# Altium PCB 111.PcbDoc (continued)
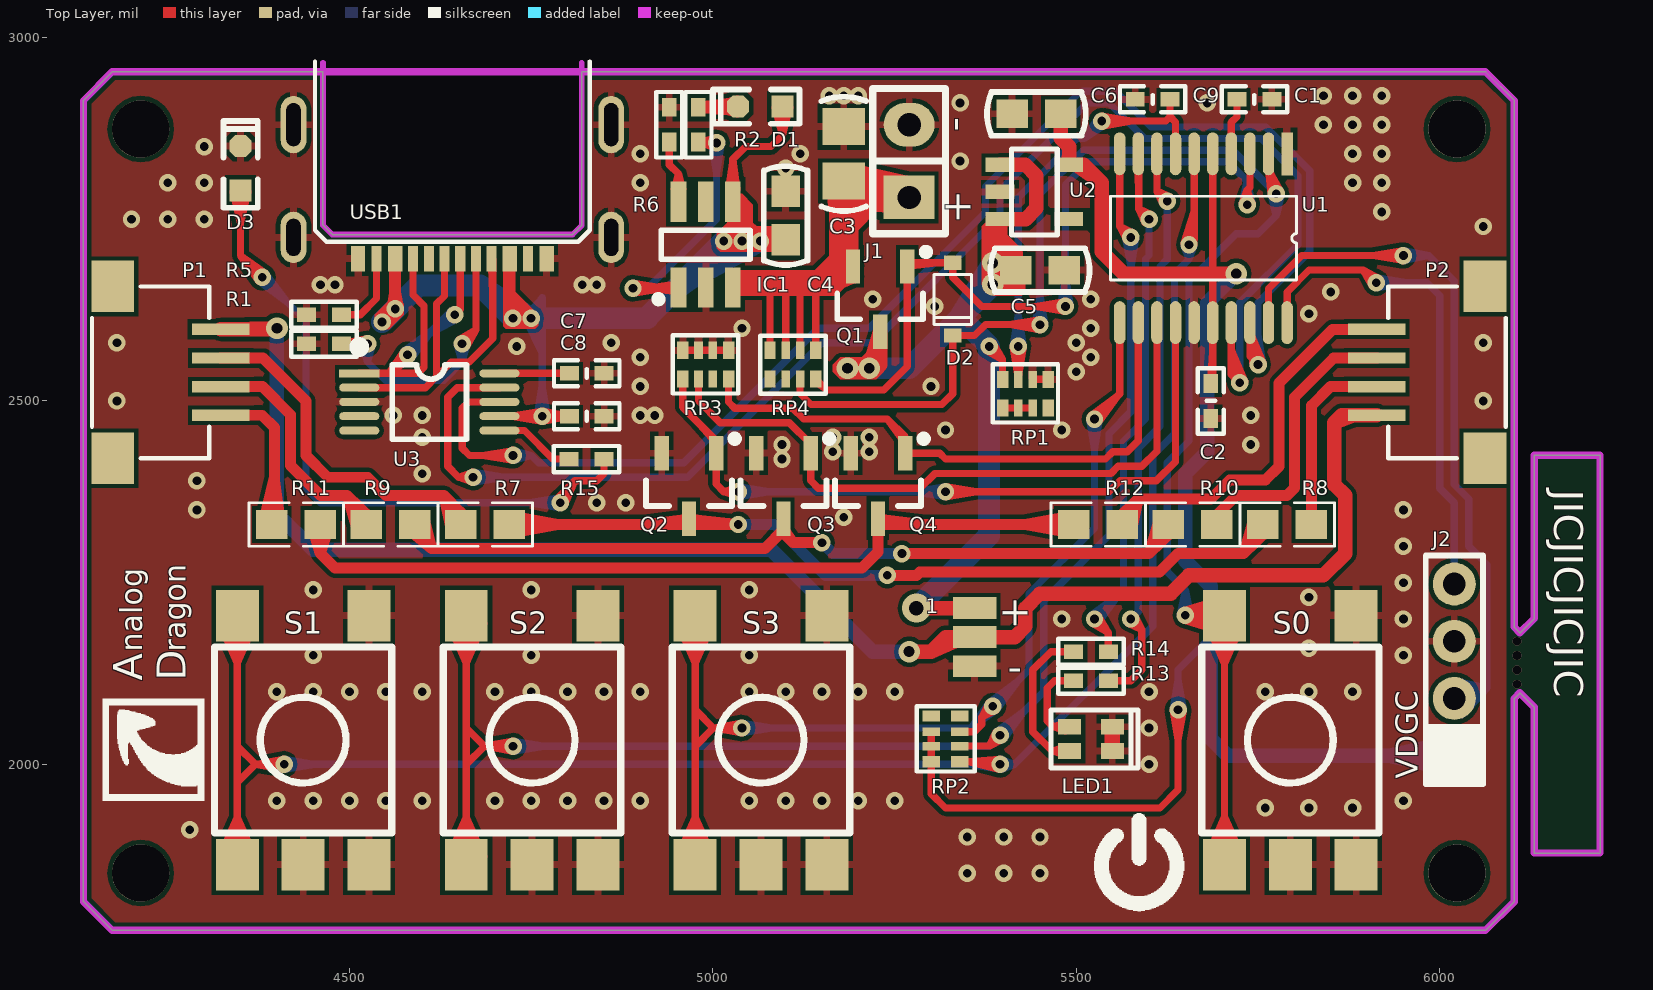
[diagram p0: Top Layer view]
## Nets (pads, with @x,y where several pads share a name; then routed paths per layer and width w, separated by ;. In a path a pad name is that pad's centre, name@x,y a point inside that pad or via, vN(x,y) a via of type N, cw(c..) or ccw(c..) an arc to the next point about the centre after c; other vN are vias at no path point) (continued)
  Bottom Layer w10: v1(4410,2000) v1(5395,2000) 5415,2000 ; v1@4410.58,1993.02 4452,2000 v1@4410.58,2006.98 ; v1@5394.42,1993.02 5353,2000 v1@5394.42,2006.98 ; v1@5396.23,1993.11 5415,2000 ; v1@5396.23,2006.89 5415,2000 ; v1@5648.11,2713.78 5655,2695 ; v1@5661.89,2713.78 5655,2695 ; 5415,2000 5605,2190 5605,2425 5635,2455 5635,2675 5655,2695 ; 5655,2695 v1(5655,2715) 5655,2695
KEY2: RP2.2 S2.2 S2.3 U1.10 | length 3313.2
  Top Layer w10: S2.3@4636.59,1873.05 4660.59,1927.52 ; S2.2@4636.59,2193.65 4660.59,2139.17 ; S2.3@4646.17,1869.76 4660.59,1927.52 ; S2.2@4646.17,2196.93 4660.59,2139.17 ; S2.3 S2.2 ; S2.3@4660.59,1867.99 4660.59,1927.52 ; 4660.59,2000 4685.59,2025 ; 4660.59,2050 4685.59,2025 ; S2.2@4660.59,2198.7 4660.59,2139.17 ; S2.3@4675.01,1869.76 4660.59,1927.52 ; S2.2@4675.01,2196.93 4660.59,2139.17 ; S2.3@4684.59,1873.05 4660.59,1927.52 ; S2.2@4684.59,2193.65 4660.59,2139.17 ; v1@4724.34,2018.03 4685.59,2025 ; v1@4724.34,2031.97 4685.59,2025 ; v1(4724.96,2025) 4685.59,2025 ; RP2.2 5380.16,2025.16 ; RP2.2@5345.59,2025.16 5380.16,2025.16 ; v1@5389.29,2044.06 5380.16,2025.16 ; v1@5399.06,2034.29 5380.16,2025.16 ; 5559.68,2780.47 U1.10@5559.68,2818.35 ; U1.10 5559.68,2740.32 ; v1@5569.32,2720.92 5559.68,2740.32 ; v1@5579.08,2730.68 5559.68,2740.32 ; 5380.16,2025.16 v1(5395,2040) 5380.16,2025.16 ; 5559.68,2740.32 v1(5575,2725) 5559.68,2740.32
  Bottom Layer w10: v1(4724.96,2025) 5380,2025 ; v1@4725.54,2018.02 4766.96,2025 v1@4725.54,2031.98 ; v1@5389.3,2044.07 5380,2025 ; v1@5390.43,2045.3 5428.21,2073.21 v1@5400.3,2035.43 ; v1@5399.07,2034.3 5380,2025 ; v1@5568.02,2724.42 5575,2683 ; v1@5581.98,2724.42 5575,2683 ; 5380,2025 v1(5395,2040) ; 5380,2025 v1(5395,2040) ; v1(5395,2040) 5455,2100 5455,2225 5545,2315 5545,2455 5575,2485 v1(5575,2725) 5575,2683
KEY3: RP2.3 S3.2 S3.3 U1.11 | length 2748.9
  Top Layer w10: S3.3@4951.55,1873.05 4975.55,1927.52 ; S3.2@4951.55,2193.65 4975.55,2139.17 ; S3.3@4961.13,1869.76 4975.55,1927.52 ; S3.2@4961.13,2196.93 4975.55,2139.17 ; S3.3 S3.2 ; S3.3@4975.55,1867.99 4975.55,1927.52 ; 4975.55,2025 5000.55,2050 ; 4975.55,2075 5000.55,2050 ; S3.2@4975.55,2198.7 4975.55,2139.17 ; S3.3@4989.97,1869.76 4975.55,1927.52 ; S3.2@4989.97,2196.93 4975.55,2139.17 ; S3.3@4999.55,1873.05 4975.55,1927.52 ; S3.2@4999.55,2193.65 4975.55,2139.17 ; v1@5039.3,2043.03 5000.55,2050 ; v1@5039.3,2056.97 5000.55,2050 ; v1(5039.92,2050) 5000.55,2050 ; RP2.3 5359.84,2044.84 ; RP2.3@5345.59,2044.84 5359.84,2044.84 ; v1@5379.3,2084.07 5370,2065 ; v1@5389.07,2074.3 5370,2065 ; v1@5520.43,2480.3 5558.21,2508.21 v1@5530.3,2470.43 ; v1(5525,2475) 5559.68,2509.68 U1.11 ; 5559.68,2548.19 U1.11@5559.68,2586.06 ; 5359.84,2044.84 5370,2055 5370,2065 ; 5370,2065 v1(5385,2080) 5370,2065
  Bottom Layer w10: v1(5039.92,2050) 5355,2050 ; v1@5040.5,2043.02 5081.92,2050 v1@5040.5,2056.98 ; v1@5379.66,2084.52 5355,2050 ; v1@5380.43,2085.3 5418.21,2113.21 v1@5390.3,2075.43 ; v1@5389.52,2074.66 5355,2050 ; v1@5518.02,2474.42 5525,2433 v1@5531.98,2474.42 ; v1(5525,2475) 5525,2325 5435,2235 5435,2130 v1(5385,2080) ; 5355,2050 v1(5385,2080) ; 5355,2050 v1(5385,2080)
LED1: R14.1 U1.9 | length 975
  Top Layer w10: v1@5520.74,2194.45 5544,2181 ; v1(5525,2200) 5544,2181 ; v1@5530.55,2204.26 5544,2181 ; R14.1 5544,2181 ; U1.9@5585.28,2818.35 5586,2780.47 ; U1.9 5586,2839.28 5586,2764 ; v1@5594.25,2746 5586,2764 ; v1@5604,2755.75 5586,2764 ; 5586,2764 v1(5600,2750) 5586,2764
  Bottom Layer w10: v1@5520.43,2205.3 5558.21,2233.21 v1@5530.3,2195.43 ; v1(5525,2200) 5565,2240 5565,2445 5595,2475 5595,2695 5600,2700 v1(5600,2750)
LED2: R13.1 U1.8 | length 954.6
  Top Layer w10: R13.1 5575,2115 ; R13.1@5547,2115 5575,2115 ; v1@5570.93,2194.3 5590,2185 ; v1(5575,2200) 5590,2185 ; v1@5580.7,2204.07 5590,2185 ; U1.8@5610.87,2818.35 5610.87,2789.13 ; U1.8 5610.87,2789.13 ; v1@5619.26,2770.99 5610.87,2789.13 ; v1@5629.01,2780.74 5610.87,2789.13 ; 5575,2115 5590,2130 5590,2185 ; 5610.87,2789.13 v1(5625,2775) 5610.87,2789.13
  Bottom Layer w10: v1(5575,2200) 5585,2210 5585,2435 5615,2465 5615,2685 5625,2695 v1(5625,2775)
Net1_2: 1.2 P1.1 P2.1 | length 2642.9
  Top Layer w20: P1.1 4400,2598.43 4354.33,2598.43 v2(4400,2600) P1.1@4324.95,2598.43 ; v2(5270,2155) 5300,2155 ; 1.2@5375,2175 5415,2175 ; P2.1 5865.31,2480.32 ; 5300,2155 5320,2175 ; 5300,2155 1.2@5345,2175 ; 5320,2175 1.2 5415,2175 ; 5320,2175 1.2@5345,2175 ; 5320,2175 1.2@5345,2175 ; 5415,2175 5430,2190 5430,2215 5450,2235 5630,2235 5655,2260 5840,2260 5870,2290 5870,2370 5855,2385 5855,2470 ; 5855,2470 5865.31,2480.32 ; 5855,2470 P2.1@5881.89,2480.32 ; 5865.31,2480.32 P2.1@5881.89,2480.32 ; 5865.31,2480.32 P2.1@5881.89,2480.32
  Bottom Layer w20: 4400,2525 v2(4400,2600) 4400,2345 4450,2295 5080,2295 5220,2155 v2(5270,2155)
NetC1_1: C1.1 U1.4 | length 99.8
  Top Layer w10: U1.4 5713.23,2883.23 ; U1.4@5713.23,2861.65 5713.23,2883.23 ; C1.1 5721,2891 5713.23,2883.23
NetC7_2: C7.2 U3.10 | length 171.6
  Top Layer w10: U3.10 C7.2 ; U3.10@4728.35,2537.99 4763.86,2537.99 ; 4759.38,2537.99 C7.2@4799.38,2537.99
NetD1_2: D1.2 R2.2 | length 266.5
  Top Layer w10: R2.2@4980,2901 D1.2@5021.35,2897.77 ; R2.2@4980,2907 D1.2@5019.84,2911.9 ; D1.2@5020.04,2905 R2.2 4981,2905 D1.2 ; D1.2@5033.3,2895.07 4989.41,2905 D1.2@5033.3,2914.94
NetD3_1: D3.1 R15.2 | length 1368.3
  Top Layer w10: D3.1@4340.07,2788.3 4350,2744.41 D3.1@4359.94,2788.3 ; D3.1 4350,2700 ; v1@4374.66,2665.48 4350,2700 ; v1(4380,2670) 4350,2700 ; v1@4384.52,2675.34 4350,2700 ; v1@4784.58,2364.43 4810,2390 ; v1@4796.17,2356.7 4810,2390 ; R15.2 4850,2400 4840,2390 4810,2390 ; 4810,2390 4790,2370 v1(4790,2360) 4810,2390
  Bottom Layer w10: v1@4375.43,2664.7 4413.21,2636.79 v1@4385.3,2674.57 ; v1(4380,2670) 4440,2610 4440,2380 4460,2360 v1(4790,2360) ; v1@4789.42,2353.02 4748,2360 v1@4789.42,2366.98
NetIC1_1: IC1.1 R2.1 | length 753.4
  Top Layer w10: v1(4890,2655) 4951.65,2655 IC1.1 4911.74,2655 ; v1@4890.58,2648.02 4932,2655 v1@4890.58,2661.98 ; IC1.1@4952.05,2661.75 4911.74,2655 ; IC1.1@4952.32,2650.12 4911.74,2655 ; v1@5003.74,2848.11 R2.1 ; v1@5004.3,2861.96 R2.1 ; R2.1 5004,2856 v1(5005,2855) R2.1
  Bottom Layer w10: v1(4890,2655) 4910,2655 ; v1@4891.23,2648.11 4910,2655 ; v1@4891.23,2661.89 4910,2655 ; v1@4998.02,2854.42 5005,2813 v1@5011.98,2854.42 ; v1(5005,2855) 5005,2750 4910,2655
NetIC1_6: IC1.6 R6.2 | length 180
  Top Layer w10: R6.2@4940,2853 4940,2825 ; R6.2 4940,2825 ; IC1.6@4946.82,2791.57 4952.6,2812.4 ; IC1.6 4952.6,2812.4 ; IC1.6@4952.6,2790.79 4952.6,2812.4 ; IC1.6@4958.37,2791.57 4952.6,2812.4 ; 4940,2825 4952.6,2812.4
NetLED1_1: LED1.1 R13.2 | length 193.9
  Top Layer w10: LED1.1@5484.58,2046 5468.26,2051.74 ; LED1.1@5484.58,2057.48 5468.26,2051.74 ; LED1.1@5485.56,2051.74 5468.26,2051.74 ; LED1.1 5468.26,2051.74 ; R13.2@5493,2115 5470,2115 ; R13.2 5470,2115 ; 5468.26,2051.74 5460,2060 5460,2105 5470,2115
NetLED1_2: LED1.2 R14.2 | length 297.4
  Top Layer w10: LED1.2@5484.66,2012.52 5466.73,2018.27 ; LED1.2@5484.66,2024.03 5466.73,2018.27 ; LED1.2@5485.56,2018.27 5466.73,2018.27 ; LED1.2 5466.73,2018.27 ; R14.2@5493,2155 5465,2155 ; R14.2 5465,2155 ; 5465,2155 5440,2130 5440,2045 5466.73,2018.27
NetQ2_3: Q2.3 R7.1 R8.1 | length 1667.5
  Top Layer w15: R7.1 v1(5035,2330) 4977.72,2336.5 ; R7.1@4721.97,2330 4786.65,2330 ; R7.1@4723.12,2317.87 4786.65,2330 ; R7.1@4723.12,2342.13 4786.65,2330 ; 4909.52,2330 Q2.3 v1@5023.99,2330 ; v1(5240,2260) 5280,2260 5284.5,2264.5 5614.5,2264.5 5640,2290 5730,2290 ; R8.1@5743.44,2334.98 5730,2290 ; R8.1@5754.57,2330 5730,2290 ; R8.1 5756.54,2316.54 5730,2290 ; R8.1@5764.03,2322.33 5730,2290
  Bottom Layer w15: v1(5035,2330) 5085,2330 5155,2260 v1(5240,2260) 5183,2260
NetQ3_3: Q3.3 R9.1 R10.1 | length 1483
  Top Layer w15: R9.1@4582.84,2321.93 4613.19,2296.81 ; R9.1 4590,2320 4613.19,2296.81 ; R9.1@4591.97,2330 4613.19,2296.81 ; R9.1@4603.13,2334.9 4613.19,2296.81 ; v1(5150,2305) 5110,2305 ; v1(5260,2290) 5600,2290 ; R10.1@5613.44,2334.98 5600,2290 ; R10.1@5624.57,2330 5600,2290 ; R10.1 5626.54,2316.54 5600,2290 ; R10.1@5634.03,2322.33 5600,2290 ; 4613.19,2296.81 5071.81,2296.81 ; 5071.81,2296.81 5097,2322 5097,2318 5110,2305 ; 5071.81,2296.81 5097,2324.22 5110,2305
  Bottom Layer w15: v1(5150,2305) 5165,2290 v1(5260,2290) 5203,2290
NetQ4_3: Q4.3 R11.1 R12.1 | length 1505
  Top Layer w15: R11.1@4447.96,2328.14 4460,2290 ; R11.1 4460,2290 ; R11.1@4472.04,2328.14 4460,2290 ; Q4.3@5227,2324.22 5227,2292 ; Q4.3 5287.93,2330 ; R12.1@5493.42,2317.87 5429.88,2330 ; R12.1@5493.42,2342.13 5429.88,2330 ; R12.1@5494.57,2330 5429.88,2330 ; R12.1 5235,2330 5230,2335 5227,2332 5227,2292 ; 4460,2290 4480,2270 5205,2270 5227,2292
NetR1_1: R1.1 USB1.CC1 | length 723.6
  Top Layer w10: v1@4524.06,2571.66 R1.1@4491.8,2578.62 ; v1@4524.06,2585.58 R1.1@4491.8,2578.62 ; v1@4524.12,2571.66 R1.1 ; v1@4524.12,2585.59 R1.1 ; v1@4650.53,2584.17 4673.98,2597.8 ; v1(4654.8,2578.62) 4673.98,2597.8 ; v1@4660.35,2574.35 4673.98,2597.8 ; 4673.98,2647.76 USB1.CC1@4673.98,2684.65 ; USB1.CC1 4673.98,2597.8 ; R1.1 v1(4524.8,2578.62) R1.1@4491.8,2578.62
  Bottom Layer w10: v1@4517.87,2577.64 4524.8,2553.62 ; v1(4524.8,2578.62) 4524.8,2553.62 ; v1@4531.73,2577.64 4524.8,2553.62 ; v1@4647.87,2577.64 4654.8,2553.62 ; v1(4654.8,2578.62) 4654.8,2553.62 ; v1@4661.73,2577.64 4654.8,2553.62 ; 4524.8,2553.62 4549.8,2528.62 4629.8,2528.62 4654.8,2553.62
NetR5_1: R5.1 USB1.CC2 | length 172
  Top Layer w10: R5.1 4514.8,2618.62 ; R5.1@4491.8,2618.62 4514.8,2618.62 ; 4537.17,2647.76 USB1.CC2@4537.17,2684.65 ; USB1.CC2 4537.17,2640.98 4514.8,2618.62
NetR15_1: R15.1 U3.6 | length 143.3
  Top Layer w10: U3.6 4740.75,2459.25 ; U3.6@4728.35,2459.25 4740.75,2459.25 ; R15.1@4799,2419.94 4780.06,2419.94 ; R15.1 4780.06,2419.94 ; 4740.75,2459.25 4780.06,2419.94
NetRP1_5: RP1.5 RP1.6 RP1.7 | length 61
  Top Layer w10: RP1.5 RP1.6 ; RP1.6 RP1.7 RP1.6
PWEN: D2.A Q1.1 RP4.4 U1.3 | length 1579.7
  Top Layer w10: RP4.4@5141.5,2526.38 5156.81,2515 ; RP4.4 5156.81,2515 ; 5267.4,2631.38 Q1.1@5267.4,2671.22 ; 5288.19,2690 D2.A@5328.03,2690 ; 5308.82,2690 Q1.1 ; v1@5484.42,2623.02 5443,2630 ; v1@5484.42,2636.98 5443,2630 ; v1@5728.11,2771.22 5735,2790 ; v1(5735,2770) 5735,2790 ; U1.3@5738.82,2818.35 5738.82,2793.82 ; U1.3 5738.82,2793.82 ; v1@5741.89,2771.22 5735,2790 ; 5156.81,2515 5235,2515 5267.4,2547.4 Q1.1 ; Q1.1 5272.4,2690 D2.A 5330,2670 5370,2630 v1(5485,2630) 5443,2630 ; 5735,2790 5738.82,2793.82
  Bottom Layer w10: v1@5478.02,2630.58 5485,2672 v1@5491.98,2630.58 ; v1(5485,2630) 5485,2797.37 5516.63,2829 5708.37,2829 5735,2802.37 ; v1@5728.04,2770.76 5735,2802.37 ; v1@5728.19,2771.63 5735,2785 ; v1@5741.81,2771.63 5735,2785 ; v1@5741.96,2770.76 5735,2802.37 ; 5735,2785 5735,2802.37
PWK: D2.K RP4.3 S0.2 S0.3 U1.2 | length 3891.7
  Top Layer w10: RP4.3@5119.84,2524.41 5119.84,2510.16 ; RP4.3 5119.84,2510.16 ; D2.K@5331.97,2590 5360,2590 ; v1@5449.42,2598.02 5408,2605 v1@5449.42,2611.98 ; v1(5450,2605) 5375,2605 5360,2590 ; v1@5647.37,2198.51 5688.8,2185.47 v1@5653.64,2210.98 ; v1@5647.46,2211.52 5688.99,2223.92 v1@5653.55,2198.97 ; v1@5648.64,2198.13 5690.85,2193.36 v1@5652.47,2211.55 ; v1@5648.74,2211.89 5690.97,2216.03 v1@5652.37,2198.41 ; v1@5650.53,2198.02 5692,2204.69 v1@5650.63,2211.97 ; v1@5650.58,2198.02 5692,2205 v1@5650.58,2211.98 ; S0.3@5679.9,1873.05 5703.9,1927.52 ; S0.2@5679.9,2193.65 5703.9,2139.17 ; S0.3@5689.48,1869.76 5703.9,1927.52 ; S0.2@5689.48,2196.93 5703.9,2139.17 ; S0.2@5698.14,2180.76 v1(5650,2205) ; S0.2@5698.49,2228.53 v1(5650,2205) ; S0.2@5701.83,2190.23 v1(5650,2205) ; S0.2@5702.05,2219.02 v1(5650,2205) ; S0.3 S0.2 ; S0.3@5703.9,1867.99 5703.9,1927.52 ; S0.2@5703.9,2198.7 5703.9,2139.17 ; S0.3@5718.32,1869.76 5703.9,1927.52 ; S0.2@5718.32,2196.93 5703.9,2139.17 ; S0.3@5727.9,1873.05 5703.9,1927.52 ; S0.2@5727.9,2193.65 5703.9,2139.17 ; v1@5768.15,2783.56 U1.2@5764.41,2818.35 ; v1(5775,2785) U1.2@5764.41,2818.35 ; v1@5781.43,2787.78 U1.2@5764.41,2818.35 ; 5119.84,2510.16 5135,2495 5315,2495 5330,2510 D2.K 5360,2590 ; v1(5650,2205) 5703.5,2205 S0.2 ; v1(5650,2205) S0.2
  Bottom Layer w10: v1@5443.02,2605.58 5450,2647 v1@5456.98,2605.58 ; v1(5450,2605) 5450,2785 5510,2845 5715,2845 v1(5775,2785) 5775,2755 ; v1@5643.04,2205.7 5650,2240 ; v1(5650,2205) 5650,2240 ; v1@5656.96,2205.7 5650,2240 ; v1@5768.05,2784.18 5775,2755 ; v1@5781.95,2784.18 5775,2755 ; 5650,2240 5625,2265 5625,2415 5655,2445 5655,2665 5720,2730 5750,2730 5775,2755
RED: Q2.1 RP3.5 U1.14 | length 1482.4
  Top Layer w10: RP3.5@4958.5,2526.38 4958.5,2491.5 ; RP3.5 4958.5,2491.5 ; 4975.68,2474.32 Q2.1@5004.4,2441.78 ; Q2.1@5004.4,2414.22 5004.4,2385.6 ; v1@5033.77,2368.11 5015,2375 ; v1@5033.77,2381.89 5015,2375 ; v1(5035,2375) 5015,2375 ; v1(5320,2375) 5545,2375 5560,2390 5610,2390 5636.46,2416.46 U1.14 ; v1@5320.58,2368.02 5362,2375 v1@5320.58,2381.98 ; 5636.46,2548.19 U1.14@5636.46,2586.06 ; 4958.5,2491.5 5004.4,2445.6 Q2.1 5004.4,2385.6 ; 5004.4,2385.6 5015,2375
  Bottom Layer w10: v1(5035,2375) 5077,2375 ; v1@5035.58,2368.02 5077,2375 ; v1@5035.58,2381.98 5077,2375 ; v1@5040,2375 v1(5320,2375) ; v1@5319.42,2368.02 5278,2375 v1@5319.42,2381.98
RED1: P1.2 R7.2 | length 641.3
  Top Layer w15: P1.2 4380.94,2559.06 ; P1.2@4354.33,2559.06 4380.94,2559.06 ; R7.2@4639.66,2325.82 4630,2370 ; R7.2@4651.1,2330 4630,2370 ; R7.2 4653.07,2346.93 4630,2370 ; R7.2@4661.02,2337.09 4630,2370 ; 4380.94,2559.06 4440,2500 4440,2425 4470,2395 4525,2395 4550,2370 4630,2370
RED2: P2.2 R8.2 | length 296.5
  Top Layer w15: R8.2 5823.46,2493.46 5849.69,2519.69 ; P2.2@5881.89,2519.69 5849.69,2519.69 ; P2.2 5849.69,2519.69
RXD: U1.18 U3.8 | length 2477.6
  Top Layer w10: U3.8@4684.25,2498.62 4663.62,2498.62 ; U3.8 4663.62,2498.62 ; v1@4724.42,2418.02 4683,2425 ; v1@4724.42,2431.98 4683,2425 ; U1.18 5738.82,2561.18 ; v1@5743.1,2548.83 U1.18@5738.82,2594.91 ; v1@5743.15,2548.56 U1.18@5738.82,2586.06 ; v1@5756.47,2552.68 U1.18@5738.82,2586.06 ; v1@5756.65,2552.2 U1.18@5738.82,2594.91 ; 4663.62,2498.62 4655,2490 4655,2435 4665,2425 v1(4725,2425) 4683,2425 ; 5738.82,2561.18 v1(5750,2550) ; 5738.82,2561.18 U1.18@5738.82,2586.06 ; U1.18@5738.82,2586.06 v1(5750,2550) ; U1.18@5738.82,2594.91 v1(5750,2550)
  Bottom Layer w10: v1(4725,2425) 4750,2425 ; v1@4725.98,2418.07 4750,2425 ; v1@4725.98,2431.93 4750,2425 ; v1@5743.02,2550.58 5750,2592 v1@5756.98,2550.58 ; v1(5750,2550) 5750,2635 5821,2706 5821,2816.63 5760.63,2877 5603,2877 5554,2926 5508.37,2926 5507.37,2925 5505,2925 5375,2795 5375,2760 5215,2600 5145,2600 4960,2415 4760,2415 4750,2425
TXD: U1.17 U3.9 | length 2367.8
  Top Layer w10: 4648.74,2518.31 U3.9@4684.25,2518.31 ; v1@4668.77,2388.11 4650,2395 ; v1@4668.77,2401.89 4650,2395 ; v1(4670,2395) 4650,2395 ; U3.9 4648.31,2518.31 4635,2505 4635,2410 4650,2395 ; 5713.23,2548.19 U1.17@5713.23,2586.06 ; U1.17 5713.23,2536.77 v1(5725,2525) 5713.23,2570.66 ; v1@5718.11,2523.76 5713.23,2570.66 ; v1@5731.63,2527.25 5713.23,2570.66
  Bottom Layer w10: v1(4670,2395) 4965,2395 5150,2580 5220,2580 5395,2755 5395,2790 5515,2910 5545,2910 5594,2861 5754,2861 5805,2810 5805,2715 5725,2635 v1(5725,2525) ; v1@4670.58,2388.02 4712,2395 v1@4670.58,2401.98
VB: 1.3 C5.2 Q1.3 RP1.4 U2.1 U2.3 | length 2273.1
  Top Layer w10: v1@5375.76,2569.43 5398.5,2556.5 ; v1(5380,2575) 5398.5,2556.5 ; v1@5385.57,2579.24 5398.5,2556.5 ; RP1.4 5398.5,2556.5 ; RP1.4@5398.5,2533.62 5398.5,2556.5
  Top Layer w20: 1.3@5345,2215 v4(5280,2215) 1.3 ; U2.1 5430,2825 ; U2.3@5404.84,2750.2 5430.2,2750.2 ; U2.1@5404.84,2825 5430,2825 ; v2(5215,2545) 5230,2550 ; v2(5215,2545) 5230,2581.22 5230,2550 ; v2(5215,2545) 5230,2550 ; v2(5215,2545) Q1.3 5230,2550 ; v2(5215,2545) 5230,2550 ; v2(5215,2545) 5190,2540 v2@5220,2540 ; v2(5215,2545) v2(5185,2545) v2@5220,2540 ; v2@5220,2540 5230,2550 ; 5395,2725 U2.3 5430.2,2750.2 ; 5395,2725 5416.54,2703.46 ; 5395,2725 5414.57,2680 v2(5385,2690) 5395,2725 ; 5416.54,2703.46 C5.2 5416.54,2703.46 ; 5430,2825 5445,2810 5445,2765 5430.2,2750.2
  Bottom Layer w30: v2(5185,2545) 5270,2545 5340,2615 ; v4(5280,2215) 5380,2315 v1(5380,2575) ; 5380,2473 v1(5380,2575) ; 5340,2615 v1(5380,2575) ; 5340,2615 v2(5385,2660) ; 5340,2615 v2(5385,2660) ; 5340,2615 v2(5385,2690) ; 5340,2615 v2(5385,2690) ; 5340,2615 v1(5380,2575) ; v2(5385,2660) v2(5385,2690) ; v2(5385,2660) v2(5385,2690) ; v2(5385,2660) v2(5385,2690) ; v2(5385,2660) v2(5385,2690)
VBAT: C3.2 IC1.3 J1.1 Q1.2 RP4.5 RP4.6 RP4.7 RP4.8 | length 2537.5
  Top Layer w10: 5058.5,2654.45 5060,2655.94 ; RP4.8 5078.5,2655.94 5078.5,2668.5 5080,2670 ; RP4.8@5078.5,2573.62 5078.5,2611.5 ; 5080,2655.94 5080.16,2655.79 ; 5099.84,2655.79 5100,2655.94 ; 5100,2670 5100.16,2669.84 5100.16,2655.94 RP4.7 ; RP4.7@5100.16,2575.59 5100.16,2611.5 ; RP4.6 5119.84,2655.79 5120,2655.94 5121.5,2654.45 ; RP4.6@5119.84,2575.59 5119.84,2611.5 ; 5140,2655.94 5141.5,2654.45 RP4.5 ; RP4.5@5141.5,2573.62 5141.5,2611.5
  Top Layer w20: IC1.3 5060,2655.94 5078.5,2655.94 5080,2655.94 5100,2655.94 5100.16,2655.94 5120,2655.94 5140,2655.94 5155.94,2655.94 ; C3.2@5164.42,2802.09 5175,2716.62 ; 5175,2772.41 Q1.2@5192.6,2698.78 ; Q1.2@5192.6,2671.22 5155.94,2655.94 ; C3.2@5195.42,2800.29 5175,2716.62 ; J1.1@5254.11,2763.22 C3.2@5189.2,2817.27 ; J1.1@5257.38,2761.51 C3.2@5183.94,2802.6 ; J1.1@5260.92,2760.42 C3.2@5181.31,2787.23 ; J1.1@5261.8,2760.26 C3.2@5202.6,2780 ; J1.1@5261.8,2799.74 C3.2@5202.6,2780 ; J1.1@5264.34,2799.99 C3.2@5181.31,2787.23 ; J1.1@5268.04,2799.77 C3.2@5183.94,2802.6 ; J1.1@5271.64,2798.87 C3.2@5189.2,2817.27 ; 5155.94,2655.94 5175,2675 ; 5175,2675 5175,2797.6 C3.2 ; 5175,2675 Q1.2 5175,2675 ; 5175,2716.62 C3.2 ; C3.2 C3.2@5202.6,2780 ; C3.2@5181.31,2787.23 J1.1 ; C3.2@5181.31,2787.23 J1.1@5265,2780 ; C3.2@5183.94,2802.6 J1.1 ; C3.2@5183.94,2802.6 J1.1@5265,2780 ; C3.2@5189.2,2817.27 J1.1 ; C3.2@5189.2,2817.27 J1.1@5265,2780 ; C3.2@5202.6,2780 J1.1 ; C3.2@5202.6,2780 J1.1@5265,2780
VBUS: C4.2 C8.2 D1.1 IC1.4 U3.7 USB1.VBUS | length 4174.5
  Top Layer w10: v1@4539.22,2612.84 v1@4557.17,2630.8 ; v1@4542.27,2615.15 v1@4566.98,2620.99 ; v1@4549.02,2603.04 v1@4566.98,2620.99 ; v1@4551.33,2606.09 v1@4557.17,2630.8 ; v1@4555.78,2627.16 4562.76,2668.58 v1@4569.73,2627.16 ; 4562.76,2647.76 USB1.VBUS@4562.76,2687.6 ; USB1.VBUS@4562.76,2695.47 v1(4562.76,2626.58) ; U3.7 C8.2 ; v1@4759.38,2478.94 C8.2@4799.38,2478.94 ; v1@4763.86,2478.94 U3.7@4728.35,2478.94 ; v1@4764.33,2471.97 U3.7@4728.35,2478.94 ; v1@4764.33,2485.91 U3.7@4728.35,2478.94 ; v1@4764.42,2471.96 U3.7@4723,2478.94 ; v1@4764.42,2485.91 U3.7@4723,2478.94 ; v1@4765.66,2471.97 C8.2 ; v1@4765.66,2485.91 C8.2 ; v1@4765.71,2471.97 C8.2@4799.38,2478.94 ; v1@4765.71,2485.9 C8.2@4799.38,2478.94 ; IC1.4@5021.59,2791.2 5027.4,2831.61 ; IC1.4 5027.4,2832.4 5045,2850 5080,2850 5095.59,2865.59 ; IC1.4@5027.4,2790.79 5027.4,2831.61 ; IC1.4@5033.21,2791.2 5027.4,2831.61 ; 5055,2730 v1(5065,2720) ; v1@5062.49,2726.53 C4.2@5095.94,2735.65 ; v1@5063.06,2713.27 C4.2@5095.94,2707.42 ; v1@5068.3,2726.17 C4.2@5095.94,2707.42 ; v1@5068.77,2714.1 C4.2@5095.94,2735.65 ; v1@5070,2725 v1@5073.46,2721.54 ; D1.1@5085.67,2903.74 5095.59,2865.59 ; D1.1@5105.51,2903.74 5095.59,2865.59 ; v1(4544.8,2608.62) v1(4562.76,2626.58) ; v1(4544.8,2608.62) v1@4566.98,2620.99 ; v1(4544.8,2608.62) v1@4557.17,2630.8 ; v1(4544.8,2608.62) v1(4562.76,2626.58) ; v1(4562.76,2626.58) 4540.58,2614.21 v1(4562.76,2626.58) ; v1(4562.76,2626.58) 4550.39,2604.4 v1(4562.76,2626.58) ; U3.7@4723,2478.94 v1(4765,2478.94) ; U3.7@4728.35,2478.94 v1(4765,2478.94) ; v1(4765,2478.94) C8.2@4799.38,2478.94 ; v1(5065,2720) C4.2 ; v1(5065,2720) C4.2@5095.94,2707.42 ; v1(5065,2720) C4.2@5095.94,2735.65 ; v1(5065,2720) C4.2 ; v1@5073.46,2721.54 C4.2 ; v1@5073.46,2721.54 C4.2@5095.94,2707.42 ; v1@5073.46,2721.54 C4.2@5095.94,2735.65 ; v1@5073.46,2721.54 C4.2 ; 5095.59,2865.59 D1.1 5095.59,2865.59 ; C4.2 5065.39,2726.99 C4.2 ; C4.2 5066,2713.07 C4.2
  Bottom Layer w10: v1@4743.29,2611.07 4765,2565.3 ; v1@4744.03,2617.58 4765,2641.94 ; v1@4756.29,2611 4765,2641.94 ; v1@4756.61,2615.26 4765,2565.3 ; v1@4758.02,2479.52 4765,2520.94 v1@4771.98,2479.52 ; v1(4765,2478.94) 4765,2641.94 ; 4802.8,2613.62 4802.8,2614.62 ; 4765,2565.3 v1(4749.8,2613.62) 4765,2641.94
  Bottom Layer w30: v1(4562.76,2626.58) v1(4544.8,2608.62) 4594.8,2658.62 4679.8,2658.62 ; 4910,2613.62 4802.8,2613.62 v1(4749.8,2613.62) ; 4910,2615 v1(5015,2720) ; 4939.36,2644.36 v1(5015,2720) ; 4966.82,2666.74 v1(5065,2720) ; 4679.8,2658.62 v1(4724.8,2613.62) ; 4679.8,2658.62 v1(4724.8,2613.62) ; 4679.8,2658.62 v1(4749.8,2613.62) ; 4679.8,2658.62 v1(4749.8,2613.62) ; v1(4724.8,2613.62) v1(4749.8,2613.62) ; v1(4724.8,2613.62) v1(4749.8,2613.62) ; v1(4724.8,2613.62) v1(4749.8,2613.62) ; v1(5015,2720) v1(5065,2720) ; v1(5015,2720) v1(5040,2720) ; v1(5015,2720) v1(5040,2720) ; v1(5015,2720) v1(5040,2720) ; v1(5015,2720) 4948.16,2653.16 v1(5040,2720) ; v1(5015,2720) v1(5065,2720) ; v1(5015,2720) v1(5065,2720) ; v1(5015,2720) v1(5065,2720) ; v1(5015,2720) v1(5065,2720) ; v1(5040,2720) v1(5065,2720)
VCC3: C2.2 C6.2 J2.1 RP2.6 RP2.7 RP2.8 U1.5 U1.16 U2.5 | length 3112
  Top Layer w10: v1@5633.02,2074.42 5640,2033 v1@5646.98,2074.42 ; v1@5645,2080 v1(5640,2075) 5640,1965 5615,1940 5320,1940 5300.31,1959.68 RP2.8 RP2.7 ; C2.2 5687.64,2526.64 U1.16 5687.64,2675 U1.5 ; C2.2@5685,2527 5687.64,2567.24 ; 5687.64,2548.19 U1.16@5687.64,2586.06 ; U1.16@5687.64,2629.37 5687.64,2667.24 ; 5687.64,2780.47 U1.5@5687.64,2818.35 ; RP2.7 RP2.6 RP2.7
  Top Layer w20: C6.2 5478.46,2861.54 5490,2850 ; 5685,2675 5565,2675 5535,2705 5535,2800 ; 5687.64,2675 v2(5720,2675) ; U2.5 5510,2825 ; U2.5 5490,2825.51 5490,2850 ; U2.5 5490,2850 ; U2.5@5499.33,2825 5535,2800 ; U2.5@5499.33,2825 5510,2825 ; U2.5@5499.33,2825 5510,2825 ; 5510,2825 5535,2800
  Bottom Layer w10: v1@5633.02,2075.58 5640,2117 v1@5646.98,2075.58 ; v1(5640,2075) 5640,2130 5685,2175
  Bottom Layer w20: J2.1@6017.87,1992.48 5930.47,2011.89 J2.1@6017.87,2031.3 ; J2.1 5708.11,2011.89 5685,2035 5685,2175 5685,2245 5650,2280 5650,2400 5680,2430 5680,2635 ; 5680,2635 v2(5720,2675) 5680,2635
pads on no net: IC1.5 P1.0 P2.0 RP1.8 RP2.4 RP2.5 RP3.7 RP4.1 RP4.2 U2.4 U3.4 U3.5 USB1.SBU1 USB1.SBU2
copper on no net:
  other v3: 6106.3,2110.24 6106.3,2129.92 6106.3,2149.61 6106.3,2169.29

## Polygon pours and split planes (outlines as drawn)
GND on Top Layer "Top Layer-No Net" (solid, pour order 8): 4133.86,2913.39 4173.23,2952.76 6062.99,2952.76 6102.36,2913.39 6102.36,1811.02 6062.99,1771.65 4173.23,1771.65 4133.86,1811.02
GND on Bottom Layer "Top Layer-No Net" (solid, pour order 10): 4173.23,2952.76 4133.86,2913.39 4133.86,1811.02 4173.23,1771.65 6062.99,1771.65 6102.36,1811.02 6102.36,2913.39 6062.99,2952.76

## Keep-outs
Keep-Out Layer:
  lines w10: 4133.86,1811.02 4173.23,1771.65 6062.99,1771.65 6102.36,1811.02 6102.36,2090.55 6110.24,2098.43 6129.92,2078.74 6129.92,1877.95 6220.47,1877.95 6220.47,2425.2 6129.92,2425.2 6129.92,2200.79 6110.24,2181.1 6102.36,2188.98 6102.36,2913.39 6062.99,2952.76 4173.23,2952.76 4133.86,2913.39 4133.86,1811.02

## Other copper
Top Layer:
  pour cut-out: 6232.28,1866.14 6091.15,1866.14 6091.15,2437.01 6232.28,2437.01
  pour cut-out: 4463.35,2952.76 4463.35,2741.73 4476.14,2728.94 4806.85,2728.94 4819.65,2741.73 4818.9,2742.48 4818.9,2952.76
  region net VBUS: 4554.8,2693.62 4554.8,2638.62 4534.8,2618.62 4534.8,2603.62 4539.8,2598.62 4554.8,2598.62 4574.8,2618.62 4574.8,2633.62 4570.8,2637.62 4570.8,2688.29
  region net VBUS: 4711.8,2693.62 4711.8,2602.62 4714.8,2599.62 4755.8,2599.62 4759.8,2603.62 4759.8,2618.62 4728.28,2650.14 4728.28,2688.29
  region net VBAT: 5027.4,2655.94 5027.4,2645 5170,2645 5200,2675 5200,2735 5225,2760 5250,2760 5250,2800 5165,2800 5160,2795 5160,2700 5140,2680 5023.29,2680
  region net VBUS: 5020,2785 5020,2745 5005,2730 5005,2710 5010,2705 5105,2705 5105,2735 5100,2740 5060,2740 5055,2745 5055,2770 5040,2785
  region net VB: 5165,2540 5175,2530 5225,2530 5235,2540 5235,2562.5 5221.25,2576.25 5205,2560 5175,2560 5165,2550
  region net VB: 5395,2750.2 5380.2,2750.2 5370,2740 5370,2660 5385,2645 5425,2645 5430,2650 5430,2690 5395,2725
Bottom Layer:
  pour cut-out: 6232.28,1866.14 6091.15,1866.14 6091.15,2437.01 6232.28,2437.01
  pour cut-out: 4819.65,2952.76 4819.65,2741.73 4806.85,2728.94 4476.14,2728.94 4463.35,2741.73 4463.35,2952.76

## Silkscreen, mask and mechanical layers (free items; w line width, h text height)
Top Overlay:
  drawing of 679 lines, arcs and shapes, not listed
  text "-" at 5320,2890 h40 r270
  text "+" at 5320,2790 h40 r270
  text "JICJICJICJIC" at 6157.48,2377.95 h40 r270
  text "+" at 5398.74,2230.94 h40 r270
  text "nalog" at 4215,2155 h30 r90
  text "ragon" at 4275,2155 h30 r90
  text "A" at 4215,2115 h40 r90
  text "D" at 4275,2115 h40 r90
  text "-" at 5405.51,2114.17 h40
  text "VDGC" at 5970,1980 h30 r90
Bottom Overlay:
  drawing of 1404 lines, arcs and shapes, not listed
  text "-" at 5150,2900 h60 r270
  text "+" at 5150,2800 h60 r270